# Altium PCB AIM2 REVB.PcbDoc (part 2 of 4) (continued)
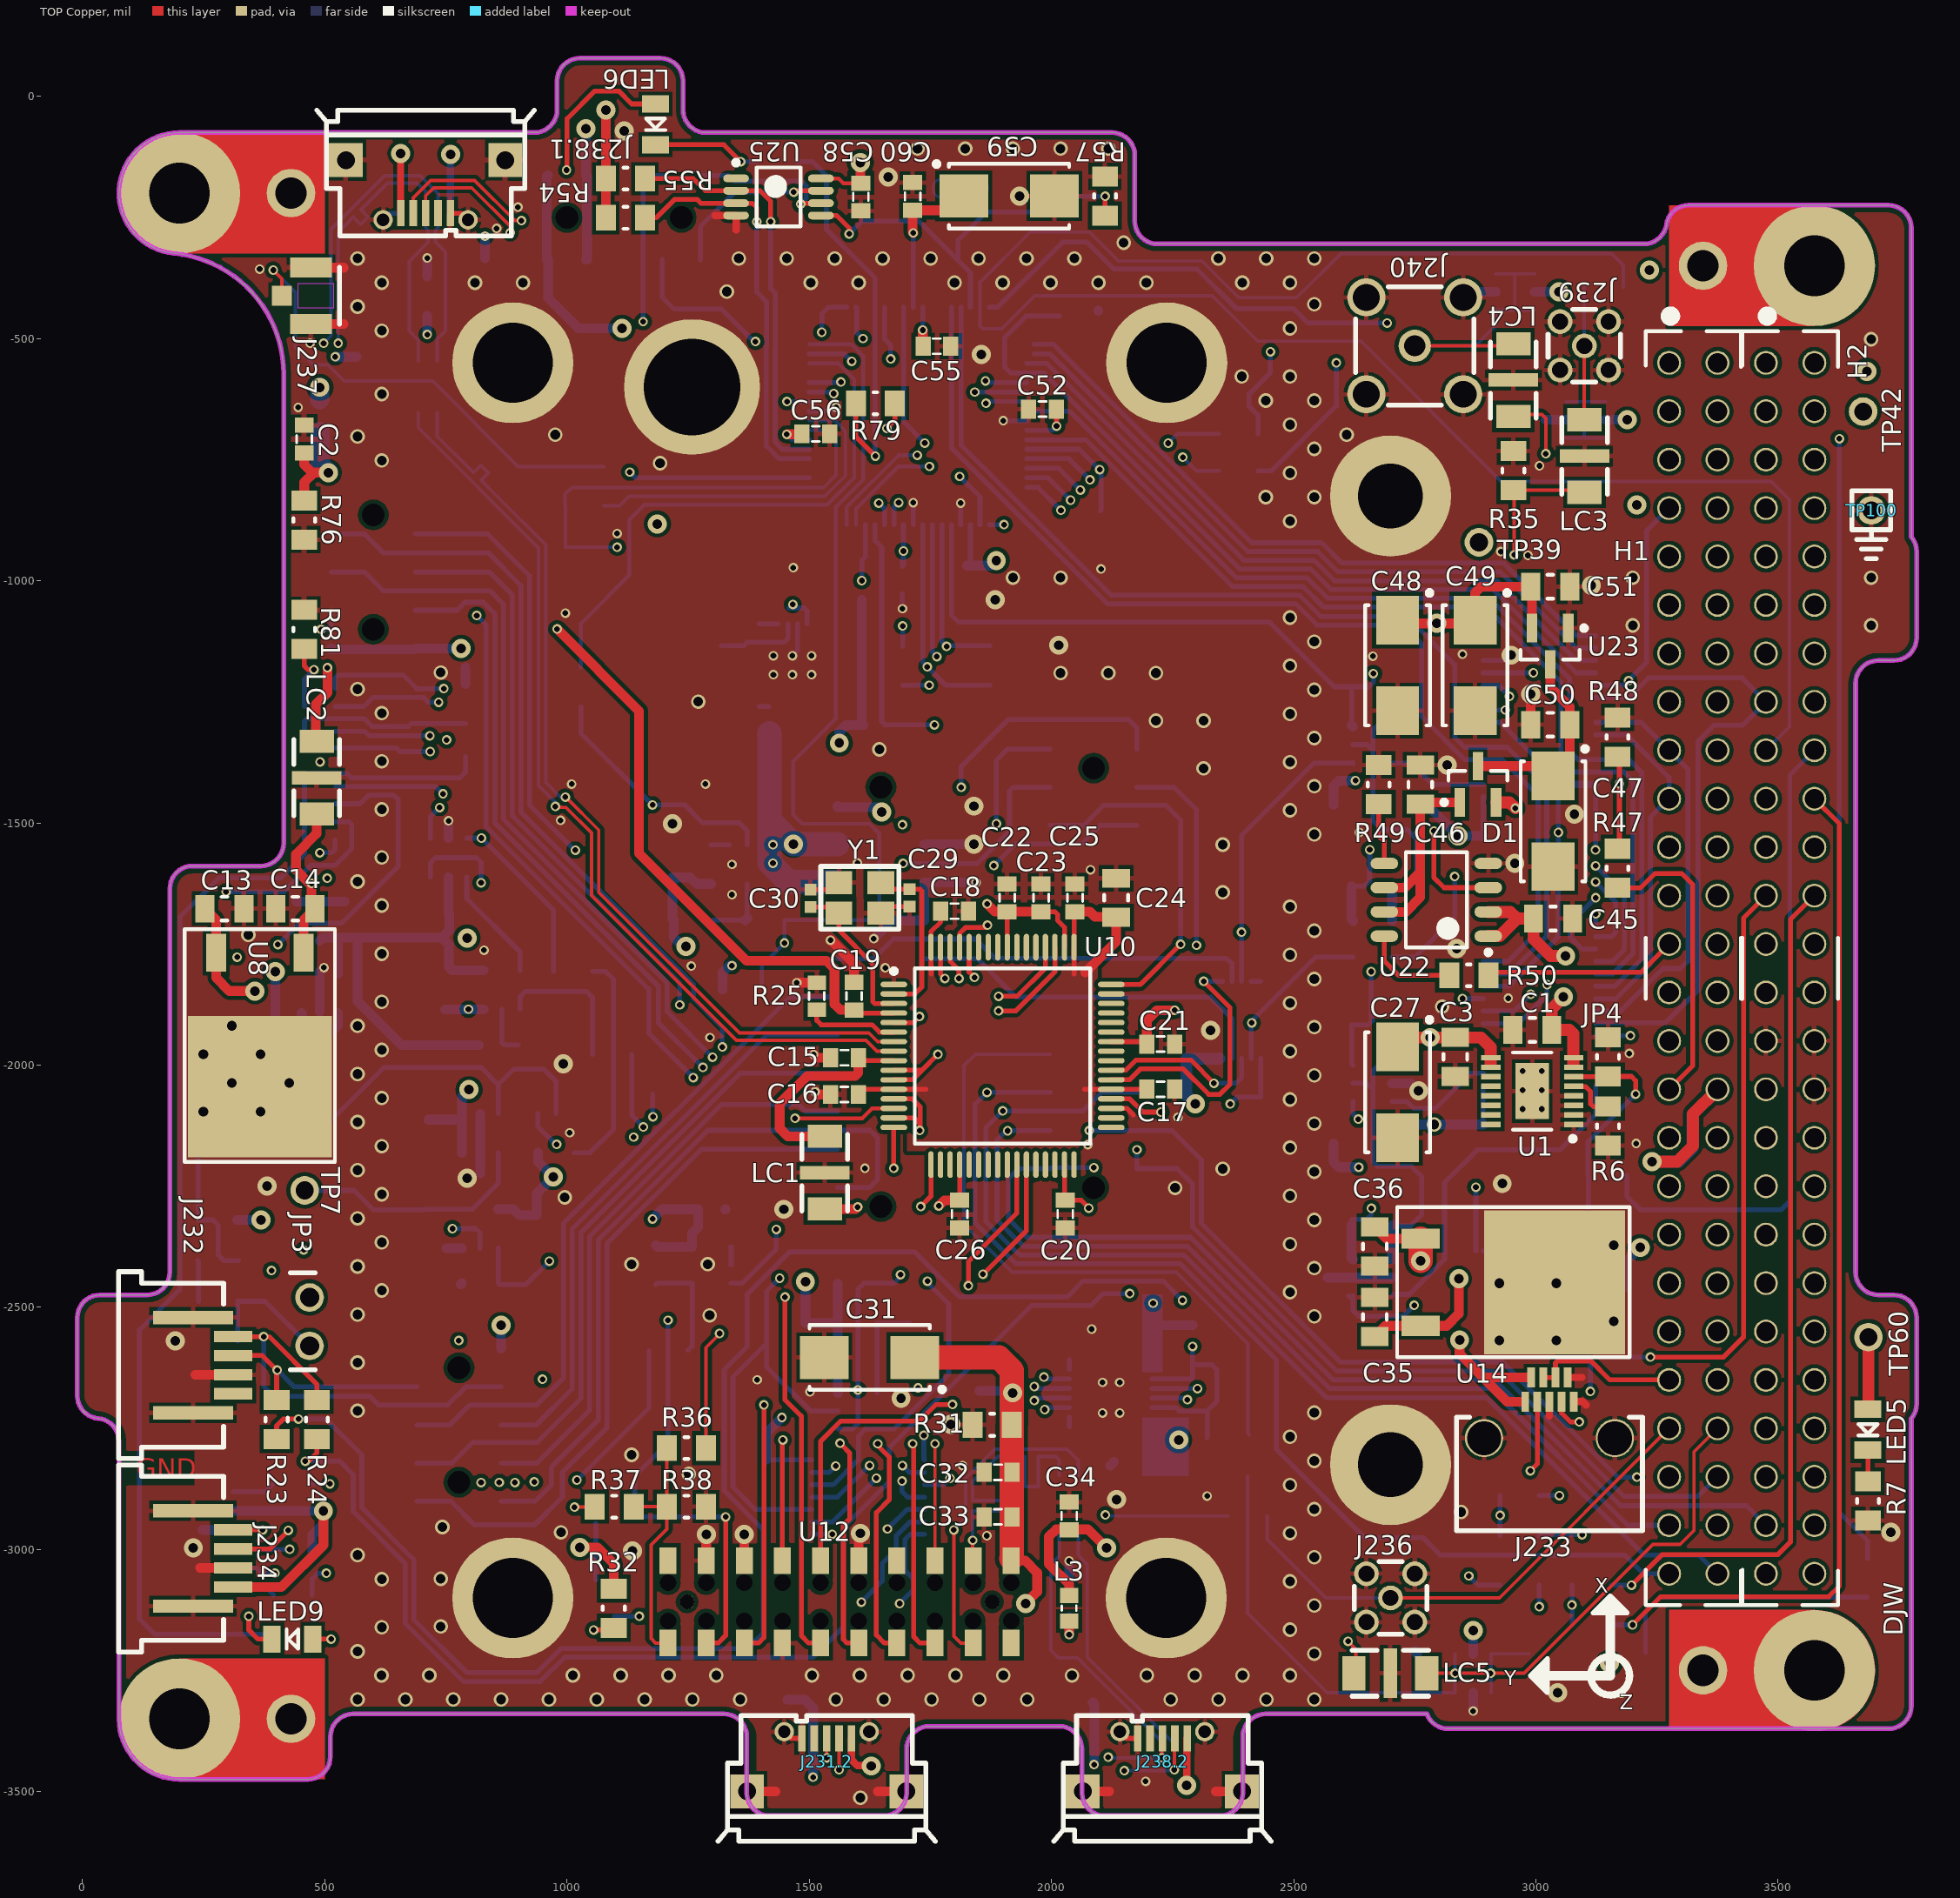
[diagram p0: TOP Copper view]
## Nets (pads, with @x,y where several pads share a name; then routed paths per layer and width w, separated by ;. In a path a pad name is that pad's centre, name@x,y a point inside that pad or via, vN(x,y) a via of type N, cw(c..) or ccw(c..) an arc to the next point about the centre after c; other vN are vias at no path point) (continued)
  Inner Layer 2 w10: v1(751.5,-1328.62) 767.28,-1344.39 883.07,-1344.39 1526,-701.47 v1(1526,-487)
  BOT Copper w10: v1(763.5,-2337.62) 811.5,-2337.62 820.5,-2346.62 U29.2@820.5,-2377.98 ; v1(1526,-487) 1526,-449.3 1540.09,-435.21 U24.49@1576.87,-435.21
-WDT_RST: C64.2 LED8.1 R64.2 U27.2 U28.6 | length 1277
  BOT Copper w10: LED8.1@321.63,-2403.62 291.5,-2403.62 279.5,-2391.62 279.5,-2329.62 269.5,-2319.62 R64.2@238.15,-2319.62 C64.2@238.15,-2235.62 238.15,-2169.98 261.5,-2146.62 480.5,-2146.62 622.5,-2004.62 822.5,-2004.62 857.91,-2040.02 ; U28.6@857.91,-2100.27 857.91,-2040.02 ; U27.2@977.5,-2100.27 977.5,-2033.62 952.5,-2008.62 889.31,-2008.62 857.91,-2040.02
AD0: H4.8 H10.18 | length 1402.7
  BOT Copper w10: H4.8@690,-2821.74 762.39,-2821.74 805.5,-2778.62 938.5,-2778.62 1028.5,-2688.62 1028.5,-2346.08 1358.1,-2016.48 H10.18@1558.5,-2016.48
AD1: H4.7 H10.20 | length 1217
  BOT Copper w10: H4.7@864,-2821.74 937.39,-2821.74 1046.5,-2712.62 1046.5,-2353.53 1318.42,-2081.62 1478.5,-2081.62 1492.1,-2095.22 H10.20@1558.5,-2095.22
AD2: H4.10 H10.22 | length 1461.9
  BOT Copper w10: H4.10@690,-2900.48 760.36,-2900.48 808.5,-2948.62 933.5,-2948.62 990.5,-2891.62 990.5,-2840.62 1082.5,-2748.62 1082.5,-2368.44 1276.99,-2173.96 H10.22@1558.5,-2173.96
AD3: H4.9 H10.24 | length 1515.4
  BOT Copper w10: H4.9@864,-2900.48 933.65,-2900.48 967.5,-2866.62 967.5,-2829.62 1064.5,-2732.62 1064.5,-2360.99 1290.87,-2134.62 1625.5,-2134.62 1641,-2150.12 1641,-2236.13 1624.43,-2252.7 H10.24@1558.5,-2252.7
AD4: H4.6 H10.14 | length 1421.8
  BOT Copper w10: H4.6@690,-2743 758.13,-2743 799.5,-2701.62 937.5,-2701.62 992.5,-2646.62 992.5,-2327.11 1460.62,-1859 H10.14@1558.5,-1859
AD5: H4.5 H10.16 | length 1221.4
  BOT Copper w10: H4.5@864,-2743 936.13,-2743 1010.5,-2668.62 1010.5,-2338.62 1411.39,-1937.74 H10.16@1558.5,-1937.74
ADCS_D_N: L2.3 U10.7 | length 1919.2
  TOP Copper w7: v1@995.11,-1448.01 996.5,-1448.01 998.9,-1448.01 1065.5,-1514.62 1065.5,-1643.29 1355.78,-1933.57 1623.12,-1933.57 1641.05,-1951.5 U10.7@1674.57,-1951.5
  BOT Copper w7: L2.3@732.19,-652.77 732.19,-702.09 799.11,-769.01 806.89,-776.79 822.11,-761.58 837.66,-777.13 822.45,-792.35 857.11,-827.01 956.16,-926.07 956.16,-1416.67 984.15,-1444.66 984.84,-1444.66 986.8,-1446.62 v1(996.5,-1446.62) v1@994.16,-1444.28
ADCS_D_P: L2.2 U10.8 | length 1914.6
  TOP Copper w7: v1@975.5,-1467.62 976,-1467.13 v1(976,-1466) ; v1@976.22,-1467.78 987.48,-1467.78 987.66,-1467.96 997.63,-1467.96 1050.5,-1520.83 1050.5,-1649.5 1349.57,-1948.57 1616.91,-1948.57 1639.52,-1971.19 U10.8@1674.57,-1971.19
  BOT Copper w7: L2.2@692.82,-652.77 692.82,-683.94 941.16,-932.28 941.16,-1422.89 976,-1457.72 v1(976,-1466)
ADCS_MUX_A0: U5.17 U24.3 | length 1428.7
  BOT Copper w10: U24.3@1948.91,-551.35 1990.83,-551.35 2397.05,-957.57 2542.1,-957.57 2584.3,-999.77 2918.81,-999.77 3083.5,-1164.46 U5.17@3123.65,-1164.46
ADCS_MUX_A1: U5.16 U24.2 | length 1411.2
  BOT Copper w10: U24.2@1963.91,-531.67 1997.55,-531.67 2405.45,-939.57 2549.56,-939.57 2591.61,-981.62 2926.25,-981.62 3083.5,-1138.87 U5.16@3123.65,-1138.87
ADCS_MUX_A2: U5.15 U24.1 | length 1408.8
  BOT Copper w10: U24.1@1963.91,-511.98 2004.46,-511.98 2414.05,-921.57 2557.96,-921.57 2600.01,-963.62 2933.84,-963.62 3083.5,-1113.28 U5.15@3123.65,-1113.28
ADCS_MUX_EN: R60.2 U5.18 U24.4 | length 1673.6
  BOT Copper w10: R60.2@2016.15,-453.62 1947.5,-453.62 1903.5,-497.62 1903.5,-558.62 1915.92,-571.04 U24.4@1948.91,-571.04 1984.52,-571.04 2389.05,-975.57 2534.65,-975.57 2576.99,-1017.92 2911.37,-1017.92 3083.5,-1190.05 U5.18@3123.65,-1190.05
ADCS_ON: R5.1 R10.2 U24.34 | length 3785.4
  Inner Layer 1 w10: v1(1129.5,-775.62) 1129.5,-2140.62 v1(1137.5,-2148.62)
  Inner Layer 2 w10: v1(1137.5,-2148.62) 1386.25,-2397.37 2511.75,-2397.37 2550.5,-2358.62 2650.5,-2358.62 2757.15,-2251.98 v1(2876.15,-2251.98)
  BOT Copper w10: v1(1129.5,-775.62) 1141.46,-787.57 U24.34@1500.09,-787.57 ; R5.1@2876.15,-2383.62 R10.2@2876.15,-2302.62 v1(2876.15,-2251.98)
ADCS_RX: R23.2 U3.3 U7.4 | length 4643.2
  TOP Copper w10: R23.2@400.5,-2771.98 400.5,-2744.62 414.5,-2730.62 v1(445.5,-2730.62)
  Inner Layer 1 w10: v1(2270.5,-2485.62) 2270.5,-2406.5 2457.76,-2219.24 2457.76,-1790.88 v1(2392.5,-1725.62)
  BOT Copper w10: v1@441.5,-2730.62 v1(445.5,-2730.62) 502.5,-2730.62 576.5,-2804.62 576.5,-2913.62 683.5,-3020.62 683.5,-3144.62 792.5,-3253.62 938.5,-3253.62 987.5,-3204.62 1372.5,-3204.62 1404.5,-3172.62 1404.5,-2958.62 1324.5,-2878.62 1324.5,-2628.62 1371.5,-2581.62 1371.5,-2473.62 1459.5,-2385.62 1717.5,-2385.62 1810.35,-2478.46 2032.66,-2478.46 2065.44,-2445.68 2230.57,-2445.68 v1(2270.5,-2485.62) ; U3.3@2392.5,-1826.9 v1(2392.5,-1725.62) 2392.5,-1525.72 2541.55,-1376.67 U7.4@2622.15,-1376.67 ; U7.4@2622.15,-1378.27 U7.4@2622.15,-1376.67 ; U7.4@2622.15,-1375.67 U7.4@2622.15,-1376.67
ADCS_TX: R24.1 U3.7 U6.4 | length 3565
  TOP Copper w10: v1(459.5,-2817.62) 466.5,-2817.62 483.5,-2800.62 R24.1@483.5,-2771.98
  Inner Layer 1 w10: v1(2161.5,-2471.62) 2413.5,-2219.62 v1(2413.5,-1912.62)
  BOT Copper w10: v1(459.5,-2817.62) 530.5,-2817.62 558.5,-2845.62 558.5,-2921.62 665.5,-3028.62 665.5,-3152.08 786.05,-3272.62 944.96,-3272.62 994.96,-3222.62 1507.5,-3222.62 1570.5,-3159.62 1570.5,-2954.62 1665.5,-2859.62 1665.5,-2789.62 1958.66,-2496.46 2081.66,-2496.46 2106.5,-2471.62 v1(2161.5,-2471.62) ; U3.7@2412.19,-1986.35 2412.19,-1909.94 2545.1,-1777.02 U6.4@2622.5,-1777.02
ADCS_UART_EN: C8.2 C10.2 U6.6 U7.6 U24.21 | length 1769.9
  Inner Layer 1 w10: v1(2657.03,-1555.14) 2664.5,-1547.67 v1(2664.5,-1191.62)
  BOT Copper w10: U24.21@1793.4,-884.03 1793.4,-1070.52 1808.5,-1085.62 2450.5,-1085.62 2583.73,-1218.84 C10.2@2619.5,-1218.84 ; C8.2@2619.5,-1630.98 C8.2@2619.5,-1630.2 2645.8,-1630.2 2657.03,-1618.97 v1(2657.03,-1555.14) ; U7.6@2619.5,-1298.22 C10.2@2619.5,-1218.84 ; v1(2664.5,-1191.62) 2664.5,-1209.62 2655.28,-1218.84 C10.2@2619.5,-1218.84
  BOT Copper w20: C8.2@2619.5,-1630.98 2619.5,-1699.22 U6.6@2622.5,-1702.22 ; U7.6@2619.5,-1298.22 U7.6@2622.15,-1300.87
ADCS_USB_D_N: J231.1.2 J231.2.2 L2.4 U9.3 U9.4 | length 4497.8
  TOP Copper w7: v1(1561.59,-3454.71) J231.2.2@1561.59,-3390
  Inner Layer 1 w6: v1(497.5,-509.62) 497.5,-552.62 860.5,-915.62 860.5,-2454.42 862.61,-2456.52 1088.5,-2682.42 1088.5,-3151.42 1092.61,-3155.52 1129.71,-3192.62 1365.82,-3192.62 1513,-3339.8 1513,-3443 1524.71,-3454.71 v1(1561.59,-3454.71)
  BOT Copper w7: v1(497.5,-509.62) 512.5,-494.62 512.5,-274.41 623.29,-163.62 696.72,-163.62 733.5,-200.41 733.5,-240.91 J231.1.2@733.59,-241 733.59,-271.07 728.3,-276.37 728.3,-300.41 748.91,-321.02 U9.3@748.91,-372.27 U9.4@748.91,-452.98 748.91,-484.63 732.19,-501.34 L2.4@732.19,-546.47
ADCS_USB_D_P: J231.1.3 J231.2.3 L2.1 U9.1 U9.6 | length 4497.8
  TOP Copper w7: v1(1536,-3430.12) J231.2.3@1536,-3390
  Inner Layer 1 w6: v1(527.6,-509.71) 543.5,-525.62 543.5,-578.82 799.34,-834.66 806.77,-842.08 843.16,-805.69 858.01,-820.54 821.61,-856.93 831.34,-866.66 874.5,-909.82 874.5,-2448.62 1102.5,-2676.62 1102.5,-3145.62 1135.5,-3178.62 1371.62,-3178.62 1536,-3343 v1(1536,-3430.12)
  BOT Copper w7: v1(527.6,-509.71) 527.6,-392.71 527.5,-392.62 527.5,-280.62 535.5,-272.62 543.28,-264.84 558.84,-249.29 573.92,-264.37 589.47,-248.81 574.4,-233.73 629.5,-178.62 690.5,-178.62 708,-196.12 J231.1.3@708,-241 708,-271.07 713.3,-276.37 713.3,-301.42 674.1,-340.62 U9.1@674.1,-372.27 U9.6@674.1,-452.98 674.1,-484.63 692.82,-503.34 L2.1@692.82,-546.47
ADCS_USB_V+: J231.1.1 J231.2.1 L1.2 U9.5 | length 3823.3
  TOP Copper w15: J231.2.1@1587.18,-3390 1587.18,-3434.18 1599.27,-3446.27 v3@1628.5,-3446.27
  Inner Layer 1 w50: v1(711.5,-491.62) 711.5,-608.62 910.5,-807.62 910.5,-2421.62 1497.5,-3008.62
  Inner Layer 2 w10: 759.5,-197.62 761.5,-195.62
  Inner Layer 2 w15: v3(759.5,-119.62) v3@759.5,-116.62
  Inner Layer 2 w50: v3(489.5,-600.62) 556.5,-600.62 607.5,-549.62 653.5,-549.62 v1(711.5,-491.62) 711.5,-413.62 668.66,-370.78 668.66,-288.46 759.5,-197.62 v3(759.5,-119.62)
  BOT Copper w15: L1.2@490.5,-629.05 L1.2@491.5,-628.05 ; J231.1.1@759.18,-241 759.5,-240.68 v3(759.5,-119.62)
  BOT Copper w20: L1.2@489.5,-626.05 L1.2@491.5,-628.05 ; v1(711.5,-491.62) U9.5@711.5,-452.98
  BOT Copper w40: L1.2@489.5,-626.05 v3(489.5,-600.62)
  other v3: 1628,-3447
CLEAR0: H1.51 H5.4 H11.20 | length 4153.6
  Inner Layer 2 w10: v1(1280.5,-2004.62) 1307.88,-2032 1842.69,-2032 v1(1866.91,-2056.22)
  BOT Copper w10: H5.4@687,-1060.74 773.39,-1060.74 789.5,-1044.62 827.5,-1044.62 850.57,-1067.68 850.57,-1499.36 1188.5,-1837.29 1188.5,-1912.62 v1(1280.5,-2004.62) ; H11.20@1997.5,-2056.22 v1(1866.91,-2056.22) 1842.5,-2080.62 1842.5,-2325.94 1926.19,-2409.62 2265.23,-2409.62 2464.5,-2608.9 2464.5,-2793.62 2646.5,-2975.62 2766.5,-2975.62 2802.29,-3011.41 3183.29,-3011.41 3221.88,-3050 H1.51@3275,-3050
CLK0: R53.2 U24.40 | length 701.1
  BOT Copper w7: R53.2@1075.5,-844.98 1108.15,-844.98 1127.87,-825.26 1469.87,-825.26 1470.37,-825.76 1532.36,-825.76 1567.14,-790.97 1567.24,-790.97 1574.5,-783.71 1574.5,-690.62 1553.35,-669.46 U24.40@1500.09,-669.46
CLK0_OUT: J237.1 R52.1 R53.1 | length 976.7
  TOP Copper w7: v1(393.5,-358.62) 411.47,-376.58 J237.1@411.47,-411.62
  BOT Copper w7: v1(393.5,-358.62) 439.45,-404.57 439.45,-517.57 476.5,-554.62 506.32,-554.62 539.5,-587.81 722.69,-587.81 899.1,-764.22 R52.1@995.96,-764.22 996.01,-764.27 R53.1@1075.5,-764.27
CLKOUT: D2.1 R51.2 R52.2 U24.33 U24.39 | length 3920.5
  Inner Layer 1 w6: v1(1103.5,-930.62) 1103.5,-2464.62 1443.5,-2804.62 1987.5,-2804.62 v1(2111.5,-2928.62) v1@2113.5,-2930.62
  BOT Copper w7: v1(1103.5,-930.62) 996.81,-930.62 D2.1@996.5,-930.31 996.5,-845.47 R52.2@995.96,-844.93 995.96,-821.17 1009.87,-807.26 U24.33@1500.09,-807.26 1529.64,-807.26 1555.5,-781.4 1555.5,-701.62 1543.03,-689.15 U24.39@1500.09,-689.15 ; v1@2113.5,-2930.62 R51.2@2364.15,-2930.62
DBG_RXD: J234.1 U24.5 | length 3340.7
  TOP Copper w10: J234.1@310.68,-2959.52 v1(371.61,-2959.52)
  Inner Layer 2 w10: v1(371.61,-2959.52) 371.61,-2761.52 646.5,-2486.62 646.5,-1455.69 720.7,-1381.5 871.42,-1381.5 1665.51,-587.41 v1(1863.72,-587.41)
  BOT Copper w10: v1@1863.72,-590.72 U24.5@1948.91,-590.72
DBG_TXD: J234.2 U24.6 | length 3364.2
  TOP Copper w10: J234.2@310.68,-2998.89 386.24,-2998.89 v1(424.5,-2960.62)
  Inner Layer 2 w10: v1(424.5,-2960.62) 424.5,-2899.62 665.55,-2658.58 665.55,-1462.1 728.15,-1399.5 878.88,-1399.5 1667.97,-610.41 v1(1841.72,-610.41)
  BOT Copper w10: v1(1841.72,-610.41) U24.6@1948.91,-610.41
DRDY0: H1.50 H5.5 H11.21 | length 4049.7
  Inner Layer 1 w10: v1(3208.5,-2850.62) 3256.5,-2898.62 3323.62,-2898.62 H1.50@3375,-2950
  Inner Layer 2 w10: v1(1300.5,-1983.62) 1327.88,-2011 1954.05,-2011 v1(2077.98,-2134.94)
  BOT Copper w10: H5.5@513,-982 581.88,-982 620.5,-1020.62 840.97,-1020.62 868.57,-1048.21 868.57,-1491.9 1206.5,-1829.84 1206.5,-1889.62 v1(1300.5,-1983.62) ; v1(2077.98,-2134.94) 2174.4,-2134.94 2175.46,-2136 H11.21@2176.5,-2134.96 2248.84,-2134.96 2309.5,-2195.62 2309.5,-2326.62 2595.5,-2612.62 2930.5,-2612.62 3168.5,-2850.62 v1(3208.5,-2850.62)
EECLK: R27.1 U10.62 U11.4 U33.11 | length 1543.8
  TOP Copper w10: U10.62@1790.71,-1756.62 1790.71,-1785.71 1809,-1804 v1(1809,-1821)
  Inner Layer 1 w10: v1(1688.5,-2432.62) 1688.91,-2432.62 1690.71,-2434.42 1793,-2332.13 1793,-1996 1809,-1980 v1(1809,-1821)
  Inner Layer 2 w10: v1(1600.5,-2670.62) 1600.5,-2835.62 1617.5,-2852.62 v1(1638.5,-2852.62)
  BOT Copper w10: U33.11@1505.72,-2943.01 1548.12,-2943.01 v1(1638.5,-2852.62) ; U11.4@1559.5,-2751.42 1589.7,-2751.42 1600.5,-2740.62 v1(1600.5,-2670.62) 1600.5,-2462.62 1612.5,-2450.62 R27.1@1639.86,-2450.62 1674.5,-2450.62 1688.5,-2436.62 v1(1688.5,-2432.62)
EECS: R26.1 U10.63 U11.5 U33.12 | length 1814
  TOP Copper w10: U10.63@1771.02,-1756.62 1771.02,-1812.02 v1(1780,-1821)
  Inner Layer 1 w10: v1(1439,-2440) 1469,-2410 1637,-2410 1704,-2343 1704,-1969 1780,-1893 v1(1780,-1821)
  BOT Copper w10: v1(1439,-2440) 1411.8,-2467.2 R26.1@1411.8,-2532.62 1411.8,-2574.62 ; U33.12@1505.72,-2917.42 1388.76,-2917.42 1342.5,-2871.17 1342.5,-2643.91 1411.8,-2574.62 ; U11.5@1559.5,-2714.02 1502.91,-2714.02 1411.8,-2622.91 1411.8,-2574.62
EEDATA: R29.2 U10.61 U11.3 U33.14 | length 1495.3
  TOP Copper w10: U10.61@1810.39,-1756.62 1810.39,-1728.08 1822.42,-1716.06 1862.94,-1716.06 v1(1868,-1711)
  Inner Layer 1 w10: v1(1744,-2446) 1840.5,-2349.5 1840.5,-2050.32 1868,-2022.82 v1(1868,-1711)
  BOT Copper w10: U33.14@1505.72,-2866.24 1549.89,-2866.24 1601.5,-2814.62 1601.5,-2765.62 1615.7,-2751.42 U11.3@1640.21,-2751.42 1674.7,-2751.42 1787.86,-2638.27 R29.2@1787.86,-2532.62 1787.86,-2492.98 1744,-2449.12 v1(1744,-2446)
EN_I2C: R57.1 U24.62 U25.5 | length 881.6
  TOP Copper w10: U25.5@1524.1,-246.01 1556.89,-246.01 1582.5,-271.62 v1(1582.5,-283.62) ; v1(2111,-206) 2111,-245.48 R57.1@2110.5,-245.98 R57.1@2111.15,-246.62
  BOT Copper w10: v1(1582.5,-283.62) 1608.5,-257.62 1726.41,-257.62 1807.5,-338.72 ; U24.62@1832.77,-435.21 1832.77,-363.98 1807.5,-338.72 ; v1(2111,-206) 2029,-206 1996.69,-238.31 1865.82,-238.31 1807.5,-296.62 1807.5,-338.72
GND: C1.1 C2.1 C3.1 C4.1 C5.1 C6.1 C7.1 C8.1 C9.1 C10.1 C11.1 C12.1 C13.1 C14.1 C15.1 C16.1 C17.1 C18.1 C19.1 C20.1 C21.1 C22.1 C23.1 C24.1 C25.1 C26.1 C27.2 C28.1 C29.1 C30.1 C31.2 C32.1 C33.1 C34.1 C35.1 C36.1 C37.1 C38.1 C39.1 C40.1 C41.1 C42.1 C43.1 C44.1 C45.1 C46.1 C47.2 C48.2 C49.2 C50.1 C51.1 C52.1 C53.1 C54.1 C55.1 C56.1 C57.1 C58.1 C59.2 C60.1 C61.1 C62.1 C63.1 C64.1 C65.1 C66.1 C67.2 C68.1 C69.1 C70.1 C71.1 C72.1 C73.1 D2.2 H2.29 H2.30 H2.32 H4.2 H5.9 H5.10 H8.5 H8.6 H10.3 H10.5 H10.7 H10.9 J231.1.5 J231.1.F J231.2.5 J231.2.F J232.3 J232.F J233.3 J233.5 J233.9 J233.F J234.3 J234.F J235.4 J235.F J236.2 J237.2 J238.1.5 J238.1.F J238.2.5 J238.2.F J239.2 J240.2 JP4.1 LC1.2 LC2.2 LC3.2 LC4.2 LC5.2 LED7.1 pad.0 Q1.2 Q2.2 R2.1 R6.1 R7.1 R8.1 R9.1 R10.1 R13.1 R15.1 R16.1 R25.1 R31.1 R35.1 R38.1 R44.1 R45.1 R46.1 R48.1 R49.1 R57.2 R59.1 R60.1 R66.1 R67.1 R69.1 R72.2 R76.1 R77.2 R78.2 R80.2 R81.2 TP100.1 U1.1 U1.2 U1.3 U1.4 U1.17 U2.5 U2.7 U2.8 U2.17 U3.4 U3.5 U4.1 U4.2 U5.12 U5.27 U6.2 U6.5 U7.2 U8.2 U9.2 U10.1 U10.5 U10.10 U10.11 U10.13 U10.15 U10.25 U10.35 U10.47 U10.51 U11.2 U12.10 U12.13 U12.16 U12.18 U12.F U13.2 U14.2 U15.2 U16.2 U17.17 U18.2 U19.12 U19.27 U20.2 U20.5 U21.2 U22.4 U23.1 U24.9 U24.20 U24.25 U24.41 U25.4 U26.1 U26.2 U27.3 U28.2 U28.5 U29.3 U30.2 U31.2 U32.2 U33.8 Y1.F | length 3961.6
  TOP Copper w10: J238.1.5@759.18,-241 781.82,-241 J231.1.F@795.6,-254.78 ; J231.2.F@1448.4,-3376.22 1462.18,-3390 J231.2.5@1484.82,-3390 ; C30.1@1502.5,-1637.4 1546.92,-1637.4 Y1.F@1561.2,-1623.13 ; Y1.F@1647.81,-1686.12 1660.93,-1673 C29.1@1707,-1673 ; U10.15@1674.57,-2108.98 1716.98,-2108.98 1729.05,-2121.05 ; U10.13@1674.57,-2069.61 1712.61,-2069.61 1729.05,-2086.05 1729.05,-2121.05 ; U10.11@1674.57,-2030.24 1712.88,-2030.24 1732.57,-2010.56 ; U10.10@1674.57,-2010.56 1732.57,-2010.56 ; U10.5@1674.57,-1912.13 1714.99,-1912.13 v1(1727.5,-1899.62) ; v1@1729.05,-2134.57 1729.05,-2121.05 ; v1(1765.5,-1977.62) 1732.57,-2010.56 ; v1(1891,-1888) 1926.61,-1888 2007.24,-1807.36 U10.51@2007.24,-1756.62 ; U10.35@2123.39,-2089.3 2155.73,-2089.3 2169.03,-2102.61 ; J238.2.F@2140.4,-3376.22 2154.18,-3390 J238.2.5@2176.82,-3390
  TOP Copper w15: 1305.5,-246.01 U25.4@1348.91,-246.01 1348.91,-275.83 ; 3028,-2724.63 J233.3@3028,-2694.8 ; J233.9@3065.5,-2644.8 3095.32,-2644.8 ; J233.5@3078,-2694.8 3096.69,-2694.8 3103.5,-2701.62
  TOP Copper w20: 233.02,-2639.11 J232.3@310.68,-2639.11 ; 242.87,-3038.26 J234.3@310.68,-3038.26 ; J237.2@471.5,-469.69 538.43,-469.69 ; J237.2@471.5,-353.55 538.58,-353.55 ; U12.18@1287.32,-3023.06 v3(1287.32,-2968.8) ; U12.16@1366.02,-3023.06 v3(1366.02,-2968.8) ; J231.2.F@1371.63,-3499.25 1430.75,-3499.25 ; v1(1474.28,-1829.85) R25.1@1515.5,-1829.85 ; v1(1509,-1978) 1515.62,-1984.62 C15.1@1543.93,-1984.62 ; v1(1512,-2055) 1517.62,-2060.62 C16.1@1543.93,-2060.62 ; v1@1544.44,-1741.56 1592.5,-1789.62 C19.1@1592.5,-1829.05 ; U12.10@1602.12,-3023.06 1602.12,-2970 v3(1605.5,-2966.62) ; 1641.25,-3499.25 J231.2.F@1700.37,-3499.25 ; J238.2.F@2064.63,-3499.25 2118.75,-3499.25 ; v3@2126.21,-2896.62 v3(2134.5,-2896.62) ; 2339.25,-3499.25 J238.2.F@2393.37,-3499.25 ; C36.1@2663.36,-2419.12 C36.1@2667.5,-2414.98 ; R49.1@2675.5,-1380.27 R49.1@2675.86,-1380.62 ; C46.1@2761.5,-1380.27 C46.1@2761.86,-1380.62 ; C50.1@2989.15,-1297.22 v3(2989.15,-1234.27) ; C47.2@3029,-1583.62 C47.2@3035.5,-1590.13 ; C51.1@3066.91,-1015.17 C51.1@3069.86,-1012.22 C51.1@3072.46,-1009.62 ; R48.1@3161.66,-1275.42 R48.1@3168.5,-1282.27
  BOT Copper w10: J231.1.F@620.4,-254.78 634.18,-241 J231.1.5@656.82,-241 ; U4.1@1297.1,-1545.27 U4.2@1334.5,-1545.27 ; U26.2@1338.86,-2412.62 U26.1@1338.86,-2375.22 ; v1(1465.37,-1154.63) 1475.69,-1144.31 U2.5@1475.69,-1089.13 ; U24.41@1500.09,-649.78 1548.35,-649.78 v1@1556,-642.12 ; v1(1692.5,-1057.62) C54.1@1692.5,-1027.2 ; U24.25@1714.66,-884.03 v1(1714.66,-838.78) ; v1(1812.5,-839.62) 1812.5,-883.45 U24.20@1813.09,-884.03 ; v1(1900.5,-669.62) 1897.82,-669.62 1897.66,-669.46 U24.9@1948.91,-669.46 ; U3.4@2412.19,-1826.9 U3.5@2431.87,-1826.9 ; U5.12@2891.36,-1164.46 2937.66,-1164.46 v3(2948.5,-1153.62) ; U5.27@3123.39,-1420.62 U5.27@3123.65,-1420.37
  BOT Copper w15: 3081.76,-1420.37 U5.27@3123.65,-1420.37
  BOT Copper w20: 247.61,-2959.52 J235.4@310.68,-2959.52 ; 442.15,-1662.27 C68.1@489.5,-1662.27 540.15,-1662.27 ; U30.2@489.5,-1888.98 489.5,-1807.12 v1(498.05,-1798.57) ; v2(617.5,-2167.29) v2@620.84,-2170.62 ; U9.2@711.5,-372.27 v1(711.5,-333.62) ; 750.86,-2377.98 U29.3@783.1,-2377.98 ; U32.2@755.5,-1531.27 v1(755.5,-1495.62) ; R67.1@780.15,-2452.62 R67.1@783.1,-2449.67 ; R80.2@790.5,-1213.62 790.5,-1178.31 ; 820.5,-2223.62 U28.2@820.5,-2180.98 U28.5@820.5,-2100.27 ; C57.1@1326.5,-2297.62 C57.1@1327.08,-2297.62 ; v1(1633,-1739) 1670.48,-1701.52 H10.9@1737.5,-1701.52 H10.7@1737.5,-1622.78 v1(1844.35,-1622.78) ; v3(1689.5,-2687.62) 1692.5,-2687.62 v3@1697.5,-2682.62 ; H10.5@1737.5,-1544.04 v3(1840.09,-1544.04) ; U13.2@2036.5,-3059.27 v1(2036.5,-3023.62) ; R60.1@2096.86,-442.62 R60.1@2097,-442.48 ; v2@2096.86,-384.77 v2(2097,-384.62) ; C37.1@2121.5,-2826.76 C37.1@2129.15,-2819.12 ; 2570.5,-2438.62 U20.5@2622.5,-2438.62 U20.2@2703.21,-2438.62 ; C41.1@2694.15,-2260.62 C41.1@2696.15,-2258.62 ; U21.2@2703.21,-2037.62 2742.5,-2037.62 v3(2758,-2053.12) ; R16.1@2750,-3210.76 R16.1@2754.5,-3215.27 ; J240.2@2850,-415 2861.38,-403.62 U16.2@2917.15,-403.62 ; v1(2870.5,-3333.62) U18.2@2870.5,-3295.98 ; 3019.5,-667.62 U15.2@3063.15,-667.62 ; v3(3044.86,-3295.98) v3@3046.63,-3297.75
  other v1: 2194.5,-3478.62 3176.5,-3296.62 1866.5,-2971.62 2321.5,-2889.62 1816.5,-2826.62 2105.5,-2718.01 2140.93,-2718.01 1501.5,-2674.62 2105.5,-2655.02 2140.93,-2655.02 1392.5,-2649.62 2083,-2545 1615,-2213 2075,-2164 3207,-2162 1005.5,-2139.62 1728,-2135 2261,-2108 2972.6,-2090.61 3011.97,-2090.61 2972.6,-2051.24 3011.97,-2051.24 2972.6,-2011.87 3011.97,-2011.87 3193,-1976 1295,-1943 2943,-1862 1657,-1799 1256.5,-1795.62 828.5,-1762.62 1544,-1742 1340.5,-1648 2080.5,-1596.62 1340.5,-1585.62 1599.5,-1582.62 2635.5,-1519.62 986.5,-1494.62 1009.5,-1419.62 1285.5,-1419.62 1426,-1194 1465.37,-1194 1504.74,-1194 2663.5,-1155.62 1426,-1154.63 1504.74,-1154.63 2848.5,-1151.62 996.5,-1066.62 2102.5,-975.62 1467,-973 2983.5,-947.62 2927.5,-939.62 1103.5,-902.62 3007.5,-762.62 445,-642 1555.5,-641.62 469.5,-509.62 365.5,-356.62 854.5,-272.62 898.5,-228.62
  other v2: 567.5,-3309.62 666.25,-3309.62 765,-3309.62 863.75,-3309.62 962.5,-3309.62 1061.25,-3309.62 1160,-3309.62 1258.75,-3309.62 1357.5,-3309.62 1555,-3309.62 1653.75,-3309.62 1752.5,-3309.62 1851.25,-3309.62 1950,-3309.62 2246.25,-3309.62 2345,-3309.62 2443.75,-3309.62 2542.5,-3309.62 616.88,-3259.95 715.63,-3259.62 1011.88,-3259.62 1110.63,-3259.62 1209.38,-3259.62 1308.13,-3259.62 1505.63,-3259.62 1604.38,-3259.62 1703.13,-3259.62 1801.88,-3259.62 1900.63,-3259.62 2042.5,-3260 2196.88,-3259.62 2295.63,-3259.62 2394.38,-3259.62 2492.5,-3259.62 2542.5,-3215.12 567.5,-3210.29 2492.5,-3165.37 617.5,-3160.62 2542.5,-3115.62 2492.5,-3065.87 617.5,-3061.29 2542.5,-3016.12 567.5,-3011.62 2492.5,-2966.37 2542.5,-2916.62 2492.5,-2866.87 2542.5,-2817.12 2492.5,-2767.37 2542.5,-2717.62 567.5,-2713.62 567.5,-2614.29 2542.5,-2518.62 567.5,-2514.96 2492.5,-2468.87 617.5,-2465.29 2542.5,-2419.12 567.5,-2415.62 2492.5,-2369.37 617.5,-2365.96 2542.5,-2319.62 567.5,-2316.29 2492.5,-2269.87 617.5,-2266.62 2542.5,-2220.12 567.5,-2216.96 2492.5,-2170.37 2542.5,-2120.62 567.5,-2117.62 2492.5,-2070.87 617.5,-2067.96 2542.5,-2021.12 567.5,-2018.29 2492.5,-1971.37 617.5,-1968.62 2542.5,-1921.62 567.5,-1918.96 2492.5,-1871.87 617.5,-1869.29 2542.5,-1822.12 2492.5,-1772.37 617.5,-1769.96 342,-1731 2542.5,-1722.62 2492.5,-1672.87 617.5,-1670.62 567.5,-1620.96 617.5,-1571.29 2542.5,-1523.62 2492.5,-1473.87 617.5,-1471.96 2542.5,-1424.12 2492.5,-1374.37 617.5,-1372.62 2542.5,-1324.62 2492.5,-1274.87 617.5,-1273.29 2542.5,-1225.12 567.5,-1223.62 2492.5,-1175.37 2542.5,-1125.62 2492.5,-1075.87 2492.5,-876.87 2442.5,-827.12 2542.5,-827.12 2492.5,-777.37 617.5,-751.62 2542.5,-727.62 567.5,-701.96 2492.5,-677.87 2442.5,-628.12 2542.5,-628.12 617.5,-614.63 2392.75,-578.12 2492.5,-578.37 617.5,-483.63 2492.5,-478.87 567.5,-433.96 2542.5,-429.12 617.5,-384.62 810,-384.62 909,-384.62 1503,-384.62 1602,-384.62 1800,-384.62 1899,-384.62 1998,-384.62 2196,-384.62 2394,-384.62 2492.5,-384.62 567.5,-334.63 1354.5,-334.62 1453.5,-334.62 1552.5,-334.62 1651.5,-334.62 1750.5,-334.62 1849.5,-334.62 1948.5,-334.62 2047.5,-334.62 2344.5,-334.62 2443.5,-334.62 2542.5,-334.62 2149,-302
  other v3: 1134.91,-3003.02 228.5,-2996.62 3732.5,-2964.62 1792.5,-2741.62 191.5,-2569.62 1447.5,-2297.62 380.5,-2249.62 2930.5,-2244.62 793.5,-2233.62 992.5,-1997.62 2328.5,-1928.27 2836.66,-1759.46 2956.5,-1583.62 1217.5,-1501.62 3079.5,-1481.62 1840.09,-1465.3 2816.5,-1380.62 2015,-1133 1884.15,-1038.98 3114.5,-1009.62 1855.5,-532.62 1934.5,-205.62 1662.86,-166.27 1118,-71.13
  other v4: 1605.5,-3512.6 739.35,-3158.95 739.35,-3060.53 987.5,-2964.62 742.5,-2953.62 2845.65,-2922.73 1251.17,-2843.99 1133.06,-2804.62 2924.39,-2568.4 3042.5,-2568.4 3160.61,-2529.03 1294.5,-2516.62 2924.39,-2450.29 3042.5,-2450.29 1133.06,-2410.92 1290.54,-2410.92 3160.61,-2371.55 995.26,-2273.13 2255.1,-2253.44 2353.53,-2214.07 249.23,-2095.96 367.34,-2095.96 308.28,-2036.9 426.39,-2036.9 249.23,-1977.85 367.34,-1977.85 308.28,-1918.79 2806.28,-1879.42 2353.53,-1643.2 2353.53,-1544.78 2314.16,-1387.3 1644.87,-1347.93 2215.73,-1288.87 2314.16,-1288.87 1270.85,-1249.5 2018.88,-1190.45 2117.31,-1190.45 2215.73,-1190.45 739.35,-1189.45 3199.98,-1092.02 3692.11,-1092.02 1920.46,-993.6 2018.88,-993.6 3199.98,-993.6 3692.11,-993.6 1192.11,-757.38 975.58,-698.32 2609.43,-698.32 3692.11,-501.47 1329.91,-403.05 1723.61,-107.77 1822.03,-107.77 1920.46,-107.77 2018.88,-107.77 2117.31,-107.77
GPS_D_N: L4.2 U12.3 | length 678.5
  TOP Copper w7: v1(1798.5,-2959.62) 1798.5,-3178.62 1812.94,-3193.06 U12.3@1838.22,-3193.06
  BOT Copper w7: v1(1798.5,-2959.62) 1822.5,-2935.62 1822.5,-2853.41 1882.91,-2793 2032.1,-2793 2055.19,-2816.09 L4.2@2055.19,-2846.47
GPS_D_P: L4.3 U12.4 | length 672.1
  TOP Copper w7: U12.4@1837.5,-3016.62 v1(1837.5,-2980.98)
  BOT Copper w7: v1(1837.5,-2980.98) 1837.5,-2932.62 1837.5,-2920.62 1916,-2920.62 1916,-2898.62 1837.5,-2898.62 1837.5,-2887.62 1837.5,-2859.62 1889.13,-2808 1913,-2808 1945.5,-2808 1945.5,-2869.94 1972.5,-2869.94 1972.5,-2808 1986,-2808 2009,-2808 2015.82,-2814.82 L4.3@2015.82,-2846.47